# KiCad board Boston-keyboard-V08DHA.kicad_pcb (continued)
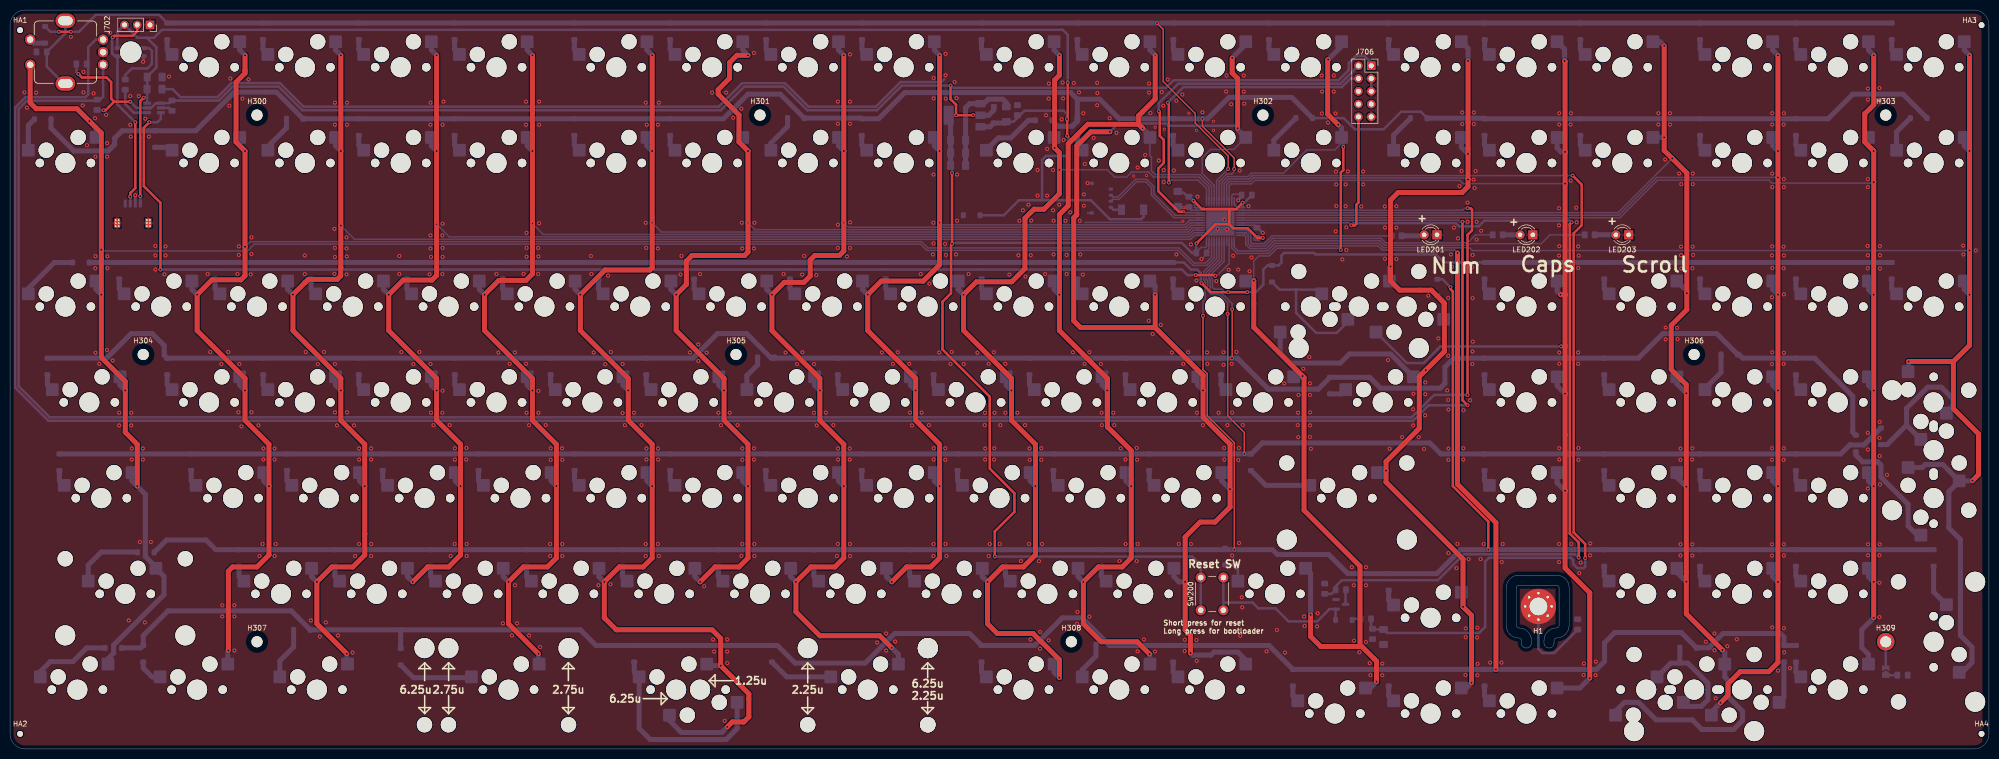
[diagram p0: board, top side]
## Routing (per net, layer and track width the routed paths; a pad name or vN(x,y) marks a point on that pad's centre or on a via; arc(x,y) is an arc through that point) (continued)
CAP_INDICATOR: length 3.4
  Bottom w1: LED202.2 300.23,102.28 R201.1
Col1: length 380.2
  Top w1: v1(25.29,52.28) 25.29,60.62 22.91,63 v1(22.91,71.33) 22.91,73.12 18.14,77.88 v1(18.14,90.38) v1(18.14,99.33) 18.14,122.53 v1(15.76,124.91) 13.3,127.37 5.2,127.37 4,128.57 SW126.S2
  Bottom w0.3: U701.21 239.4,97.7 237.91,96.2 235.21,96.2 232.22,99.19 182.28,99.19 181.04,100.44 48.56,100.44 47.2,99.08 18.4,99.08 v1(18.14,99.33)
  Bottom w1: SW3.1 21.86,72.38 v1(22.91,71.33) ; SW1.1 17.1,123.58 v1(15.76,124.91) ; v1(18.14,90.38) 17.1,91.43 SW2.1 ; SW4.1 24.24,53.33 v1(25.29,52.28) 26.9,50.67 26.9,38.28 29,36.17 SW5.1 30.6,34.33 30.6,30.68 20.6,20.68 20.6,19.07 19.48,17.95 SW6.1
Col2: length 355.5
  Top w1: v1(46.72,138.01) 46.72,134.96 46.72,134.43 44.93,132.65 44.93,120.74 v1(46.72,118.96) v1(46.72,99.91) 46.72,94.14 45.91,93.33 40.14,93.33 v1(37.19,90.38) 37.19,83.24 46.72,73.71 v1(46.72,71.33) 46.72,65.38 51.48,60.62 v1(51.48,52.28) 51.48,38.59 49.1,36.21 44.25,36.21 43.4,35.36 v1(43.4,19.57)
  Bottom w0.3: v1(46.72,99.91) 47.73,100.92 181.24,100.92 182.48,99.67 232.42,99.67 235.41,96.68 237.71,96.68 238.9,97.88 U701.22
  Bottom w1: v1(46.72,118.96) 45.67,120 SW8.1 ; v1(46.72,138.01) 45.67,139.05 SW7.1 ; SW13.1 43.29,19.46 v1(43.4,19.57) ; v1(37.19,90.38) 36.15,91.43 SW9.1 ; v1(51.48,52.28) 50.43,53.33 SW11.1 ; SW10.1 45.67,72.38 v1(46.72,71.33)
Col3: length 335
  Top w1: v1(65.77,138.01) v1(65.77,118.96) v1(65.77,104.11) 65.77,95.74 65.75,95.72 65.75,94.12 65.05,93.42 59.3,93.42 58.68,92.81 58.67,92.81 v1(56.24,90.38) 56.24,83.24 65.77,73.71 v1(65.77,71.33) 65.77,65.38 70.53,60.62 v1(70.53,52.28) 70.53,42.76 70.53,38.59 68.15,36.21 63.98,36.21 v1(61.01,33.23) 61.01,24.9 v1(66.96,18.94)
  Bottom w0.3: UA701.25 235.61,102.18 235.4,101.97 235.37,101.97 234.79,101.39 68.48,101.39 v1(65.77,104.11)
  Bottom w1: SW19.1 59.96,34.28 v1(61.01,33.23) ; v1(70.53,52.28) 69.48,53.33 SW18.1 ; SW17.1 64.72,72.38 v1(65.77,71.33) ; SW15.1 64.72,120 v1(65.77,118.96) ; SW20.1 66.96,17.02 v1(66.96,18.94) ; v1(65.77,138.01) 64.72,139.05 SW14.1 ; v1(56.24,90.38) 55.2,91.43 SW16.1
Col4: length 296.2
  Top w1: v1(84.82,138.01) v1(84.82,118.96) v2(84.82,104.39) 84.82,94.19 83.91,93.28 78.19,93.28 v1(75.29,90.38) 75.29,83.24 84.82,73.71 v1(84.82,71.33) 84.82,65.38 89.58,60.62 v1(89.58,52.28) 89.58,38.59 87.2,36.21 83.03,36.21 v1(80.06,33.23)
  Bottom w0.3: U701.26 235.4,102.68 234.59,101.88 87.34,101.88 v2(84.82,104.39)
  Bottom w1: SW24.1 83.77,72.38 v1(84.82,71.33) ; v1(80.06,33.23) 79.01,34.28 SW26.1 ; SW25.1 88.53,53.33 v1(89.58,52.28) ; v1(84.82,138.01) 83.77,139.05 SW21.1 ; SW22.1 83.77,120 v1(84.82,118.96) ; SW23.1 74.25,91.43 v1(75.29,90.38)
Col5: length 296.1
  Top w1: v1(105.06,18.94) 99.11,24.9 v1(99.11,33.23) 102.08,36.21 106.85,36.21 108.63,37.99 v1(108.63,52.28) 108.63,60.62 103.87,65.38 v1(103.87,71.33) 103.87,73.71 94.34,83.24 v1(94.34,90.38) 97.17,93.21 102.58,93.21 103.87,94.49 v2(103.87,104.51) v1(103.87,118.96) v1(103.87,138.01)
  Bottom w0.3: U701.27 235.22,103.18 234.4,102.36 106.02,102.36 v2(103.87,104.51)
  Bottom w1: SW31.1 107.58,53.33 v1(108.63,52.28) ; SW27.1 102.82,139.05 v1(103.87,138.01) ; v1(105.06,18.94) 105.06,17.02 SW128.1 ; v1(94.34,90.38) 93.3,91.43 SW29.1 ; v1(103.87,118.96) 102.82,120 SW28.1 ; v1(99.11,33.23) 98.06,34.28 SW32.1 ; SW30.1 102.82,72.38 v1(103.87,71.33)
Col6: length 329.2
  Top w1: v1(127.68,138.01) v1(127.68,118.96) v2(127.68,104.67) 127.68,95.74 127.23,95.28 118.3,95.28 v1(113.39,90.38) 113.39,83.24 122.92,73.71 v1(122.92,71.33) 122.92,65.38 127.68,60.62 v1(127.68,52.28) 127.68,37.99 125.9,36.21 121.13,36.21 v1(118.16,33.23) 118.16,26.09 120.54,23.71 139.59,23.71 141.3,21.99 v1(141.3,16.57) 146.9,10.97 146.9,6.38 145.9,5.38 143.6,5.38 v1(142.6,4.38)
  Bottom w0.3: U701.28 235.04,103.68 234.2,102.83 129.51,102.83 v2(127.68,104.67)
  Bottom w1: v1(127.68,138.01) 126.63,139.05 SW33.1 ; SW39-1.1 138.84,16.57 v1(141.3,16.57) ; v1(142.6,4.38) 141.5,3.28 133.5,3.28 131.11,5.66 SW39-2.1 ; v1(113.39,90.38) 112.35,91.43 SW35.1 ; v1(127.68,52.28) 126.63,53.33 SW37.1 ; SW38.1 117.11,34.28 v1(118.16,33.23) ; SW36.1 121.87,72.38 v1(122.92,71.33) ; v1(127.68,118.96) 126.63,120 SW34.1
Col7: length 245.2
  Top w1: v1(146.73,138.01) 144.53,138.01 143.06,136.54 143.06,133.44 140.8,131.18 140.8,130.28 144.95,126.13 144.95,120.74 v1(146.73,118.96) v2(146.73,104.67) 146.73,98.84 146.06,98.17 135.6,98.17 134.47,97.04 134.47,92.41 v1(132.44,90.38) 132.44,83.24 141.97,73.71 v1(141.97,71.33) 141.97,65.38 146.73,60.62 v1(146.73,52.28) 146.73,37.99 144.95,36.21 140.18,36.21 v1(137.21,33.23)
  Bottom w0.3: v2(146.73,104.67) 148.09,103.31 234,103.31 234.87,104.18 U701.29
  Bottom w1: v1(146.73,138.01) 145.68,139.05 SW40.1 ; SW45.1 136.16,34.28 v1(137.21,33.23) ; v1(141.97,71.33) 140.92,72.38 SW43.1 ; v1(132.44,90.38) 131.4,91.43 SW42.1 ; SW44.1 145.68,53.33 v1(146.73,52.28) ; v1(146.73,118.96) 145.68,120 SW41.1
Col8: length 250.5
  Top w1: v1(165.78,138.01) v1(165.78,118.96) v2(165.78,104.67) 165.78,99.06 164.9,98.17 160,98.17 159.1,97.28 159.1,94.08 157.86,92.83 153.94,92.83 v1(151.49,90.38) 151.49,83.24 161.02,73.71 v1(161.02,71.33) 161.02,65.38 165.78,60.62 v1(165.78,52.28) 165.78,37.99 164,36.21 159.23,36.21 v1(156.26,33.23) 156.26,27.28 161.02,22.52 172.93,22.52 v1(175.31,20.13)
  Bottom w0.3: v2(165.78,104.67) 165.78,104.63 166.62,103.8 233.8,103.8 234.69,104.68 U701.30
  Bottom w1: v1(156.26,33.23) 155.21,34.28 SW51.1 ; SW49.1 159.97,72.38 v1(161.02,71.33) ; SW129.1 176.64,18.8 v1(175.31,20.13) ; v1(165.78,52.28) 164.73,53.33 SW50.1 ; v1(165.78,138.01) 164.73,139.05 SW46.1 ; SW47.1 164.73,120 v1(165.78,118.96) ; SW48.1 150.45,91.43 v1(151.49,90.38)
Col9: length 199.2
  Top w1: v1(175.31,33.23) 178.28,36.21 183.05,36.21 184.83,37.99 v1(184.83,52.28) 184.83,60.62 180.07,65.38 v1(180.07,71.33) 180.07,73.71 170.54,83.24 v1(170.54,90.38) 173.24,93.08 181.57,93.08 184.82,96.32 184.82,104.66 v2(184.83,104.67) v1(184.83,118.96) v1(184.83,138.01)
  Bottom w0.3: v2(184.83,104.67) 185.23,104.28 233.6,104.28 234.51,105.18 U701.31
  Bottom w1: SW57.1 174.26,34.28 v1(175.31,33.23) ; v1(184.83,138.01) 183.78,139.05 SW52.1 ; v1(170.54,90.38) 169.5,91.43 SW54.1 ; v1(184.83,118.96) 183.78,120 SW53.1 ; v1(184.83,52.28) 183.78,53.33 SW56.1 ; v1(180.07,71.33) 179.02,72.38 179.02,74.03
Col10: length 215.8
  Top w1: v1(208.64,138.01) 208.64,134.02 207.7,133.07 v1(207.7,119.58) 208.64,118.63 v1(208.64,115.23) 208.64,110.43 205.59,107.38 203.61,107.38 201.8,105.58 201.8,95.58 199.16,92.93 192.14,92.93 v1(189.59,90.38) 189.59,83.24 199.12,73.71 v1(199.12,71.33) 199.12,65.38 203.88,60.62 v1(203.88,52.28) 203.88,38.59 201.5,36.21 197.33,36.21 197.04,35.91 v1(194.36,33.23) 194.36,24.9 196.29,22.96 203.41,22.96 205.05,21.32 205.07,21.32 208.64,17.75 v1(208.64,14.18)
  Bottom w0.3: U701.38 238.4,111.77 236.4,113.78 227.4,113.78 226.4,114.78 223,114.78 222,113.78 219.6,113.78 218.14,115.23 v1(208.64,115.23)
  Bottom w1: SW62.1 202.83,53.33 v1(203.88,52.28) ; SW63.1 193.31,34.28 v1(194.36,33.23) ; v1(208.64,138.01) 207.6,139.05 SW58.1 ; v1(199.12,71.33) 198.07,72.38 SW61.1 ; v1(207.7,119.58) 207.6,119.68 SW59.1 ; SW64.1 207.6,15.23 v1(208.64,14.18) ; SW60.1 188.55,91.43 v1(189.59,90.38)
Col11: length 209.4
  Top w1: 218.17,73.71 v1(218.17,71.33) 218.17,65.38 218.2,65.35 218.2,64.08 ; 218.17,73.71 208.64,83.24 v1(208.64,90.38) 208.64,106.32 210.4,108.08 210.4,120.38 214.3,124.28 224.4,124.28 ; 218.17,73.71 218.2,73.68 218.2,64.08 ; 224.9,123.78 v2(225.2,123.47) 224.4,124.28 ; v2(227.69,138.01) 227.69,129.27 224.4,125.97 224.4,124.28 ; v1(226.59,18.86) 224.12,21.32 216.98,21.32 213.41,24.9 v1(213.41,33.23) 216.38,36.21 221.15,36.21 222.93,37.99 v1(222.93,52.28) 222.93,59.34 218.2,64.08
  Bottom w0.3: U701.39 238.9,111.97 236.62,114.25 227.72,114.25 226.95,115.03 226.95,117.72 226.65,118.02 SW66.1
  Bottom w1: SW70.1 212.36,34.28 v1(213.41,33.23) ; SW65.1 226.65,139.05 v2(227.69,138.01) ; SW69.1 221.88,53.33 v1(222.93,52.28) ; SW68.1 217.12,72.38 v1(218.17,71.33) ; SW66.1 226.65,122.03 v2(225.2,123.47) ; SW71.1 226.65,18.8 v1(226.59,18.86) ; SW67.1 207.6,91.43 v1(208.64,90.38)
Col12: length 237.9
  Top w1: v1(244.1,123.47) 244.1,133.38 243,134.47 v1(243,137.47) ; 227.69,83.83 v1(227.69,90.38) ; 227.69,83.83 212.84,83.83 211.5,85.17 211.5,105.67 212.1,106.28 212.1,119.97 214.9,122.78 v1(218.7,122.78) ; 227.69,83.83 237.22,74.31 v1(237.22,71.33) 237.22,65.97 242.58,60.62 v1(242.58,51.69) 242.58,48.11 239.6,45.14 236.62,45.14 233.65,42.16 v1(233.65,33.23) 233.65,23.71 234.7,22.65 v1(234.7,19.07)
  Bottom w0.3: SW73.1 243.32,119.28 238.7,119.28 237.04,117.61 237.04,114.51 239.4,112.15 U701.40
  Bottom w0.5: v1(244.1,123.47) 243.6,123.97 230.3,123.97 229.84,124.44 220.36,124.44 v1(218.7,122.78)
  Bottom w1: v1(242.58,51.69) 240.93,53.33 SW76.1 ; v1(244.1,123.47) 244.1,123.25 SW73.1 ; SW75.1 236.17,72.38 v1(237.22,71.33) ; SW77.1 231.41,34.28 232.46,33.23 v1(233.65,33.23) ; v1(234.7,19.07) 235.1,18.68 238.8,18.68 239.4,19.28 244.1,19.28 245.7,17.68 SW78.1 ; v1(243,137.47) 245.7,140.17 SW72.1 ; v1(227.69,90.38) 227.69,92.03 SW74.1
Col13: length 219.2
  Top w0.5: v1(264.6,99.28) 264.6,114.67 265.1,115.17 v1(265.1,119.78)
  Top w1: 268.42,20.38 260.6,20.38 258.6,22.38 v1(258.6,26.68) ; 268.42,20.38 268.42,36.36 257.3,47.47 257.3,73.88 v1(257,74.17) 247.3,83.88 v1(247.3,93.17) ; 268.42,20.38 268.8,20.38 271.7,17.47 v1(271.7,13.38) ; v1(264.1,124.17) 262,126.28 262,137.07 v1(262.1,137.18)
  Bottom w0.3: v1(264.6,99.28) 264.26,99.61 251.92,99.61 250.38,98.08 248.3,98.08 247.3,97.08 v1(247.3,93.17) ; U701.43 240.9,112.68 242.1,113.88 246.14,113.88 246.82,114.56 253.22,114.56 257.84,119.17 263.4,119.17 264.75,120.52 SW80.1
  Bottom w0.5: SW80.1 265.1,121.3 v1(265.1,119.78)
  Bottom w1: v1(264.1,124.17) 264.75,123.53 SW80.1 ; SW82.1 256.86,74.03 v1(257,74.17) ; SW85.1 270.44,12.12 v1(271.7,13.38) ; v1(247.3,93.17) 247.2,93.08 SW81.1 ; v1(262.1,137.18) 264.75,139.82 SW79.1 ; v1(258.6,26.68) 258.6,34.93 SW84.1
Col14: length 265.1
  Top w1: v1(289.9,136.88) v1(289.9,118.38) v1(289.9,113.28) 289.9,111.88 288.72,110.69 275.98,110.69 274.5,109.21 v1(274.5,95.97) 274.5,93.08 276.3,91.28 282.6,91.28 285.2,88.67 285.2,79.08 v1(281.5,75.38) 280.2,74.08 280.2,63.78 273.6,57.17 v1(273.6,55.38) 273.6,53.08 288.9,37.78 v1(288.9,28.28) 290.6,26.57 v1(290.6,13.18)
  Bottom w0.3: U701.45 241.9,112.3 242.49,112.89 246.51,112.89 247.22,113.59 289.58,113.59 v1(289.9,113.28)
  Bottom w1: SW88-1.1 274.27,95.75 v1(274.5,95.97) ; v1(290.6,13.18) 289.54,12.12 SW92.1 ; v1(289.9,136.88) 289.9,139.36 SW86.1 ; SW90.1 273.2,54.98 v1(273.6,55.38) ; SW91.1 288.9,30.83 v1(288.9,28.28) ; SW87.1 288.56,119.72 v1(289.9,118.38) ; v1(281.5,75.38) 280.15,74.03 SW89.1 274.49,78.58 266.3,78.58 264.5,76.78 254.6,76.78 252.55,78.82 SW88-2.1
Col15: length 264.8
  Top w0.5: 309.2,80.17 309.1,80.08 v1(308.4,80.08)
  Top w1: 309.2,90.38 v1(309.2,70.67) v1(309.2,51.38) 309.2,35.97 314.1,31.07 v1(314.1,14.07) ; 309.2,90.38 v1(309.2,112.47) v1(309.2,118.78) 309.2,136.78 v1(309.1,136.88) ; 309.2,90.38 v1(308.3,90.38)
  Bottom w0.3: v1(309.2,112.47) 288.9,112.47 288.26,113.12 247.5,113.12 246.79,112.41 242.73,112.41 242.4,112.08 U701.46
  Bottom w0.5: SW127.1 277.75,76.78 281.1,76.78 284.4,80.08 v1(308.4,80.08)
  Bottom w1: SW96.1 307.61,72.27 v1(309.2,70.67) ; SW95.1 307.61,91.07 v1(308.3,90.38) ; v1(309.2,118.78) 308.4,118.78 307.61,119.57 SW94.1 ; SW98.1 312.14,12.12 v1(314.1,14.07) ; SW97.1 307.61,52.97 v1(309.2,51.38) ; SW93.1 309.1,139.21 v1(309.1,136.88)
Col16: length 282.3
  Top w1: v1(328.9,139.88) v1(328.9,121.67) 328.9,119.08 v1(330.5,117.47) 333.4,114.58 v1(333.4,90.67) 333.4,87.38 330.3,84.28 330.3,75.47 333.3,72.47 v1(333.3,70.78) v1(333.3,52.17) v1(333.3,33.28) 333.3,26.88 v1(340.5,19.68)
  Bottom w0.3: U701.3 319.71,106.68 v1(330.5,117.47)
  Bottom w1: SW104.1 331.42,35.15 v1(333.3,33.28) ; v1(340.5,19.68) 340.95,19.23 SW105-1.1 340.95,14.33 341.6,13.68 341.6,10.38 344.5,7.47 344.5,5.68 342.7,3.88 336.4,3.88 334.5,5.78 327.3,5.78 323.8,9.28 321,9.28 319.23,7.5 SW105-2.1 ; SW102.1 331.42,72.65 v1(333.3,70.78) ; SW101.1 333.4,91.1 v1(333.4,90.67) ; SW99.1 328.07,140.7 v1(328.9,139.88) ; v1(333.3,52.17) 331.42,54.05 SW103.1 ; SW100.1 328.88,121.66 v1(328.9,121.67)
Col17: length 268.7
  Top w1: v1(351.52,138.01) v1(351.52,113.69) v1(351.52,33.23) 351.52,17.19 349.7,15.38 344,15.38 341.6,12.97 341.6,10.68 v1(340.1,9.18)
  Bottom w0.3: v1(351.52,113.69) 327.42,113.69 319.91,106.18 U701.4
  Bottom w1: SW106.1 350.47,139.05 v1(351.52,138.01) ; v1(340.1,9.18) 338.28,7.35 SW112.1 ; v1(351.52,52.28) 350.47,53.33 SW110.1 ; SW109.1 350.47,72.38 v1(351.52,71.33) ; v1(351.52,33.23) 350.47,34.28 SW111.1 ; SW108.1 350.47,91.43 v1(351.52,90.38) ; v1(351.52,118.96) 350.47,120 SW107.1
Col18: length 272.1
  Top w1: v1(370.57,26.09) v1(370.57,33.23) v1(370.57,112.74) v1(370.57,118.96) 368.78,120.74 368.78,126.36 370.57,128.14 v1(370.57,138.01)
  Bottom w0.3: U701.5 320.11,105.68 327.6,113.17 349.7,113.17 350.3,112.58 370.4,112.58 v1(370.57,112.74)
  Bottom w1: v1(370.57,118.96) 369.52,120 SW114.1 ; SW116.1 369.52,72.38 v1(370.57,71.33) ; SW119.1 369.52,18.8 368.19,20.13 368.19,23.71 v1(370.57,26.09) ; v1(370.57,33.23) 369.52,34.28 SW118.1 ; v1(370.57,90.38) 369.52,91.43 SW115.1 ; v1(370.57,52.28) 369.52,53.33 SW117.1 ; SW113.1 369.52,139.05 v1(370.57,138.01)
Col19: length 314.2
  Top w1: v1(389.62,138.01) v1(389.62,99.16) v1(389.62,90.38) 389.62,80.29 386.4,77.08 ; 386.4,77.08 386.4,67.67 391.4,62.67 391.4,54.58 v1(390.2,53.38) ; 386.4,77.08 v1(377.5,77.08)
  Bottom w0.3: U701.13 243.4,99.85 244.18,99.08 250,99.08 251.5,100.58 272.2,100.58 273.06,99.72 290.22,99.72 290.78,99.16 v1(389.62,99.16)
  Bottom w1: SW124-1.1 387.56,53.23 385.5,51.17 385.5,43.97 387.8,41.68 387.8,22.57 390.1,20.28 390.1,17.18 388.15,15.23 SW125.1 ; SW124-1.1 384.31,56.58 380.8,56.58 380.22,56 SW123.1 ; SW124-1.1 390.15,53.33 v1(390.2,53.38) ; SW122.1 388.57,91.43 v1(389.62,90.38) ; v1(377.5,77.08) 377.5,75.15 SW124-2.1 ; v1(389.62,138.01) 388.57,139.05 SW120.1 ; v1(389.62,118.96) 388.57,120 SW121.1
D+: length 23.1
  Bottom w0.3: U701.33 236.48,106.17 231.64,106.17 227.44,110.37 227.44,111.87 226,113.31 223.8,113.31 220.3,109.82 219.23,109.82 J705.3
D-: length 23.1
  Bottom w0.3: J705.2 219.23,109.33 220.5,109.33 224,112.84 225.8,112.84 226.96,111.68 226.96,110.18 231.44,105.69 236.48,105.69 U701.32
DI: length 11.5
  Bottom w0.5: R710.1 22.9,134.07 24.2,135.38 27.3,135.38 28.2,136.28 28.2,138.88 27.65,139.43 LED702.4
EncA: length 455.2
  Top w0.5: v1(289.8,70.42) 289.8,102.28 290.7,103.17 290.7,107.28 290.4,107.58 v1(289.8,107.58)
  Bottom w0.3: v1(289.8,107.58) 289.25,107.58 288.85,107.17 287.6,107.17 287.59,107.16 244.83,107.16 U701.2
  Bottom w0.5: v1(289.8,70.42) 283.15,70.42 278.7,65.97 7.9,65.97 1.7,72.17 1.7,127.31 3.36,128.97 17.1,128.97 R709.1 17.9,129.18 18.5,129.78 SW126.B
EncB: length 458.1
  Top w0.5: v1(288.8,104.88) 288.8,69.38 v1(289.8,68.38)
  Bottom w0.3: v1(288.8,104.88) 288.3,104.88 287.99,105.18 U701.6
  Bottom w0.5: v1(289.8,68.38) 282.06,68.38 278.98,65.3 7.62,65.3 1.02,71.89 1.02,127.59 3.08,129.66 14.98,129.66 15.55,130.22 15.55,139.62 17.05,141.12 SW126.A
NRST: length 211.5
  Top w0.5: v1(311.9,38.07) 311.9,41.07 310.13,42.84 310.13,104.41 v1(310.5,104.78) ; v1(266.7,104.17) 267.4,104.17 267.7,104.47 267.7,108.28 268.12,108.69 J706.10
  Bottom w0.3: v1(266.7,104.17) 266.19,104.68 U701.7
  Bottom w0.5: C702.1 262.75,30.85 R703.1 263.57,32.35 264.8,33.57 283.9,33.57 289.04,38.71 311.26,38.71 v1(311.9,38.07) ; v1(310.5,104.78) 310.17,105.1 293.13,105.1 292,103.97 288.1,103.97 287.47,104.6 267.13,104.6 v1(266.7,104.17)
NUM_INDICATOR: length 4.6
  Bottom w1: LED201.2 280.98,102.08 R202.1
RGBLED: length 253.2
  Top w0.5: v1(239.65,94.12) 239.5,94.28 v1(235.75,94.28) 235.8,94.22 ; v1(29.9,95.38) 29.9,108.67 26.6,111.97 26.6,123.58 v1(27.7,124.67)
  Bottom w0.3: v1(239.65,94.12) 239.75,94.22 240.06,94.22 242.4,96.57 U701.15
  Bottom w0.5: v1(27.7,124.67) 29.3,124.67 29.97,125.35 U705.3 ; v1(29.9,95.38) 233,95.38 234.1,94.28 v1(235.75,94.28)
Row1: length 411.8
  Top w0.3: v1(228.04,144.42) 229.3,143.16 229.3,132.78 235.65,126.42 235.65,124.53 242.2,117.97 v1(242.2,115.38)
  Top w0.5: v1(12.1,142.68) v1(9.7,142.68)
  Bottom w0.3: U701.41 239.9,113.08 v1(242.2,115.38)
  Bottom w0.5: v1(12.1,142.68) 13.7,142.68 17.08,146.05 29.61,146.05 D7.1 ; v1(9.7,142.68) 8.02,142.68 D126.1
  Bottom w1: D120.1 v1(228.04,144.42) D7.1
Row2: length 434.3
  Top w0.3: v1(243.4,115.38) 243.4,117.58 237.09,123.88 v1(237.09,125.37)
  Bottom w0.3: U701.42 240.4,112.88 241.9,114.38 242.9,114.38 243.4,114.88 v1(243.4,115.38)
  Bottom w0.5: D80.1 265.17,125.5 267.4,123.28 273.1,123.28 276.6,126.78 280.5,126.78 281.75,125.53 D87.1
  Bottom w1: 212.22,129.26 D66.1 212.22,124.89 211.2,123.88 208.35,123.88 D59.1 ; 212.22,129.26 216.67,129.26 220.56,125.37 D73.1 v1(237.09,125.37) 238.09,125.37 242.35,129.62 254.85,129.62 D80.1 ; 212.22,129.26 210.9,130.58 177.9,130.58 172.69,125.37 D53.1 169.22,125.5 D47.1 153.14,130.27 146.73,130.27 141.83,125.37 D41.1 D28.1 88.38,125.38 D15.1 52.95,130.68 44.6,130.68 36.91,122.99 D8.1 22.29,122.99 20.8,121.5 20.8,120.28 19.5,118.97 12.7,118.97 8.15,123.53 D1.1 ; D87.1 293.07,125.47 D94.1 D114.1 361.5,125.37 366.4,130.27 376.39,130.27 D121.1
Row3: length 382.2
  Top w0.5: v1(246,90.88) v1(242.2,90.88) 238.7,90.88 v1(236.9,92.67)
  Bottom w0.3: U701.17 241.4,96.98 238.82,94.4 238.82,93.84 239.08,93.58 239.08,91.79 239.4,91.47 240.9,91.47 241.5,90.88 v1(242.2,90.88)
  Bottom w0.5: v1(236.9,92.67) 236.75,92.83 236.75,94.67 236.05,95.38 234.8,95.38 233.38,96.79 D81.1 ; v1(246,90.88) 247.7,90.88 249.2,92.38 249.2,95.38 250.02,96.2 D88.1 252.22,96.2 252.8,96.78 252.8,98.17 253.3,98.67 259.3,98.67 259.6,98.38 283.5,98.38 285.08,96.79 D95.1
  Bottom w1: D81.1 D9.1 15.77,96.79 D2.1 ; D122.1 D101.1 D95.1
Row4: length 419.3
  Top w0.3: v1(242.97,77.74) 243,77.78 v1(243,87.47)
  Bottom w0.3: v1(243,87.47) 243,88.57 240.6,90.96 238.89,90.96 238.6,91.25 238.6,93.38 238.33,93.65 238.33,94.59 240.9,97.16 U701.18
  Bottom w1: 367,62.42 366.4,63.03 366.4,70.17 358.83,77.74 D116.1 344.51,77.74 343.78,78.47 D109.1 339.34,82.64 328.67,82.64 323.77,77.74 D102.1 D96.1 287.07,77.74 285.3,75.97 285.3,72.72 284.35,71.78 272.5,71.78 270.34,73.93 D89.1 260.1,71.58 250.2,71.58 244.03,77.74 v1(242.97,77.74) D82.1 151.36,77.74 146.46,82.64 140.67,82.64 135.77,77.74 D10.1 30.65,78.34 30.65,80.26 28.26,82.64 24.1,82.64 19.2,77.74 D3.1
Row5: length 413.5
  Top w0.3: v1(245.42,58.69) 245.42,62.96 242.1,66.28 v1(242.1,86.58)
  Bottom w0.3: v1(242.1,86.58) 242.1,88.79 240.41,90.47 238.7,90.47 238.12,91.05 238.12,93.18 237.84,93.46 237.84,94.78 240.4,97.34 U701.19
  Bottom w1: D4.1 D76.1 v1(245.42,58.69) 246.82,58.69 249,60.88 282.3,60.88 284.48,58.69 D97.1 D103.1 D117.1 364.02,58.69 365.85,60.53 365.9,60.47 368.6,60.47 369,60.88 369.02,60.88 D124.1
Row6: length 483.3
  Top w0.3: v1(237.2,86.17) 237.2,75.5 238.05,74.65 238.05,66.32 243.43,60.93 v1(243.43,39.64)
  Top w0.5: v1(286.4,91.88) 286.4,91.47 286.87,91 286.87,52.29 293.93,45.23 v1(293.93,39.64)
  Bottom w0.3: U701.20 239.9,97.52 237.35,94.97 237.35,93.28 237.64,92.98 237.64,89.52 237.2,89.08 v1(237.2,86.17)
  Bottom w0.5: v1(286.4,91.88) 284.82,93.45 D127.1
  Bottom w1: D125.1 D104.1 v1(293.93,39.64) 288.47,39.64 283.71,34.88 D91.1 265.99,34.88 262.2,38.68 252,38.68 251.03,39.64 v1(243.43,39.64) D77.1 D19.1 40.9,39.64 38.98,41.57 31.12,41.57 D5.1
Row7: length 498.4
  Top w1: v1(295.44,15.83) 295.44,45.03 287.8,52.67 v1(287.8,98.67)
  Bottom w0.3: U701.14 242.9,99.67 244,98.58 250.2,98.58 251.72,100.09 272,100.09 272.86,99.23 287.24,99.23 v1(287.8,98.67)
  Bottom w1: 77.64,23.71 113.39,23.71 116.51,20.59 D39.1 D129.1 152.58,20.59 156.1,17.07 170,17.07 175.9,22.97 190.78,22.97 D64.1 203.75,20.59 209.24,26.09 213.13,26.09 218.63,20.59 D78.1 250.32,20.59 D85.1 D98.1 v1(295.44,15.83) 315.46,15.83 317.05,17.43 317.05,21.12 319.1,23.18 332.27,23.18 D105.1 337.84,20.13 337.84,20.22 340.6,22.97 352,22.97 352.71,22.27 D112.1 D119.1 ; 77.64,23.71 59.82,23.71 D20.1 55.91,27.47 31.4,27.47 26.48,22.55 D13.1 25.98,20.1 D6.1 ; 77.64,23.71 77.68,23.67 D128.1
SCRL_INDICATOR: length 4.3
  Bottom w1: 315,102.3 319.28,102.3 LED203.2
SWCLK: length 66.7
  Top w0.5: v1(230.2,128.57) 230.4,128.38 v1(230.4,112.67)
  Bottom w0.3: U701.37 237.9,111.47 236.2,113.17 230.9,113.17 v1(230.4,112.67)
  Bottom w0.5: J706.4 266.5,133.37 264.81,131.68 233.3,131.68 v1(230.2,128.57)
SWDIO: length 71.1
  Top w0.5: v1(228.4,126.88) 228.6,126.67 228.6,121.97 229.4,121.17 229.4,116.58 228.3,115.47 228.3,110.97 232.39,106.89 v2(233.39,106.89)
  Bottom w0.3: v2(233.39,106.89) 233.59,106.68 U701.34
  Bottom w0.5: v1(228.4,126.88) 228.4,128.47 232.28,132.35 264.52,132.35 268.08,135.91 J706.2
Net-(D1-Pad2): length 6.7
  Bottom w1: SW1.2 3.63,124.06 D1.2
Net-(D2-Pad2): length 12
  Bottom w1: D2.2 8.8,96.78 3.63,91.61 SW2.2
Net-(D3-Pad2): length 3.4
  Bottom w1: SW3.2 7.43,72.46 D3.2
Net-(D4-Pad2): length 3.4
  Bottom w1: D4.2 9.81,53.41 SW4.2
Net-(D5-Pad2): length 14.1
  Bottom w1: D5.2 25.27,39.18 18.14,39.18 15.54,36.58 SW5.2
Net-(D6-Pad2): length 15.9
  Bottom w1: D6.2 15.22,20.1 12.5,17.38 8,17.38 6.02,15.39 SW6.2
Net-(D7-Pad2): length 3.4
  Bottom w1: D7.2 31.24,139.13 SW7.2
Net-(D8-Pad2): length 3.6
  Bottom w1: D8.2 31.64,119.69 SW8.2
Net-(D9-Pad2): length 3.4
  Bottom w1: SW9.2 21.72,91.51 D9.2
Net-(D10-Pad2): length 3.4
  Bottom w1: D10.2 31.24,72.46 SW10.2
Net-(D11-Pad2): length 3.4
  Bottom w1: D11.2 36,53.41 SW11.2
Net-(D13-Pad2): length 5.3
  Bottom w1: SW13.2 28.23,14.34 26.48,16.1 D13.2
Net-(D14-Pad2): length 3.4
  Bottom w1: SW14.2 50.29,139.13 D14.2
Net-(D15-Pad2): length 7.8
  Bottom w1: SW15.2 51.26,119.83 54.95,123.53 D15.2
Net-(D16-Pad2): length 3.4
  Bottom w1: D16.2 40.77,91.51 SW16.2
Net-(D17-Pad2): length 3.3
  Bottom w1: D17.2 50.33,72.42 SW17.2
Net-(D18-Pad2): length 3.4
  Bottom w1: D18.2 55.05,53.41 SW18.2
Net-(D19-Pad2): length 3.4
  Bottom w1: SW19.2 45.53,34.36 D19.2
Net-(D20-Pad2): length 10.5
  Bottom w1: D20.2 56.38,20.27 53.64,17.53 SW20.2
Net-(D21-Pad2): length 3.4
  Bottom w1: D21.2 69.34,139.13 70.31,138.16
Net-(D22-Pad2): length 3.4
  Bottom w1: D22.2 69.34,120.08 70.31,119.12
Net-(D23-Pad2): length 3.3
  Bottom w1: SW23.2 59.85,91.47 D23.2
Net-(D24-Pad2): length 3.4
  Bottom w1: 70.31,71.49 69.34,72.46 D24.2
Net-(D25-Pad2): length 3.4
  Bottom w1: D25.2 74.1,53.41 SW25.2
Net-(D26-Pad2): length 3.4
  Bottom w1: SW26.2 64.58,34.36 D26.2
Net-(D27-Pad2): length 3.4
  Bottom w1: 89.36,138.16 88.39,139.13 D27.2
Net-(D28-Pad2): length 3.4
  Bottom w1: D28.2 88.39,120.08 89.36,119.12
Net-(D29-Pad2): length 3.3
  Bottom w1: D29.2 78.9,91.47 SW29.2
Net-(D30-Pad2): length 3.3
  Bottom w1: D30.2 88.43,72.42 89.36,71.49
Net-(D31-Pad2): length 3.4
  Bottom w1: D31.2 93.15,53.41 SW31.2
Net-(D32-Pad2): length 3.4
  Bottom w1: D32.2 83.63,34.36 SW32.2
Net-(D33-Pad2): length 3.4
  Bottom w1: SW33.2 112.2,139.13 D33.2
Net-(D34-Pad2): length 3.4
  Bottom w1: D34.2 112.2,120.08 SW34.2
Net-(D35-Pad2): length 3.3
  Bottom w1: SW35.2 97.95,91.47 D35.2
Net-(D36-Pad2): length 3.3
  Bottom w1: SW36.2 107.48,72.42 D36.2
Net-(D37-Pad2): length 3.3
  Bottom w1: D37.2 112.24,53.37 SW37.2
Net-(D38-Pad2): length 3.3
  Bottom w1: SW38.2 102.72,34.32 D38.2
Net-(D39-Pad2): length 40.1
  Bottom w1: D39.2 124.11,15.31 SW39-1.2 125.08,4.1 127.3,1.88 142.4,1.88 144.57,4.05 SW39-2.2
Net-(D40-Pad2): length 3.4
  Bottom w1: D40.2 131.25,139.13 SW40.2
Net-(D41-Pad2): length 3.4
  Bottom w1: D41.2 131.25,120.08 SW41.2
Net-(D42-Pad2): length 3.3
  Bottom w1: D42.2 117,91.47 SW42.2
Net-(D43-Pad2): length 3.4
  Bottom w1: D43.2 126.49,72.46 SW43.2
Net-(D44-Pad2): length 3.4
  Bottom w1: D44.2 131.25,53.41 SW44.2
Net-(D45-Pad2): length 3.3
  Bottom w1: SW45.2 121.77,34.32 D45.2
Net-(D46-Pad2): length 3.3
  Bottom w1: D46.2 150.34,139.1 SW46.2
Net-(D47-Pad2): length 7.8
  Bottom w1: SW47.2 151.27,120.52 154.61,123.85 D47.2
Net-(D48-Pad2): length 3.4
  Bottom w1: SW48.2 136.02,91.51 D48.2
Net-(D49-Pad2): length 7.3
  Bottom w1: D49.2 148.65,76.43 146.51,74.28 SW49.2
Net-(D50-Pad2): length 3.4
  Bottom w1: D50.2 150.27,53.45 SW50.2
Net-(D51-Pad2): length 3.3
  Bottom w1: D51.2 140.82,34.32 SW51.2
Net-(D52-Pad2): length 3.3
  Bottom w1: SW52.2 169.39,139.1 D52.2
Net-(D53-Pad2): length 3.4
  Bottom w1: SW53.2 169.35,120.08 D53.2
Net-(D54-Pad2): length 3.4
  Bottom w1: SW54.2 155.07,91.51 D54.2
Net-(D55-Pad2): length 3.4
  Bottom w1: D55.2 164.59,72.46 SW55.2
Net-(D56-Pad2): length 3.4
  Bottom w1: D56.2 169.35,53.41 SW56.2
Net-(D57-Pad2): length 3.3
  Bottom w1: D57.2 159.83,34.36 SW57.2
Net-(D58-Pad2): length 3.4
  Bottom w1: SW58.2 193.17,139.13 D58.2
Net-(D59-Pad2): length 12.2
  Bottom w1: SW59.2 194.13,119.21 196.5,121.58 199,121.58 202.5,125.08 D59.2
Net-(D60-Pad2): length 3.4
  Bottom w1: SW60.2 174.12,91.51 D60.2
Net-(D61-Pad2): length 3.4
  Bottom w1: D61.2 183.64,72.46 SW61.2
Net-(D62-Pad2): length 3.4
  Bottom w1: D62.2 188.4,53.41 SW62.2
Net-(D63-Pad2): length 3.4
  Bottom w1: D63.2 178.88,34.36 SW63.2
Net-(D64-Pad2): length 3.4
  Bottom w1: D64.2 193.17,15.31 SW64.2
Net-(D65-Pad2): length 3.4
  Bottom w1: D65.2 212.22,139.13 SW65.2
Net-(D66-Pad2): length 3.4
  Bottom w1: SW66.2 212.22,120.08 D66.2
Net-(D67-Pad2): length 3.4
  Bottom w1: SW67.2 193.17,91.51 D67.2
Net-(D68-Pad2): length 3.4
  Bottom w1: D68.2 202.69,72.46 SW68.2
Net-(D69-Pad2): length 3.4
  Bottom w1: SW69.2 207.45,53.41 D69.2
Net-(D70-Pad2): length 3.4
  Bottom w1: D70.2 197.93,34.36 SW70.2
Net-(D71-Pad2): length 7.5
  Bottom w1: D71.2 215.92,18.48 213.18,15.74 SW71.2
Net-(D72-Pad2): length 3.3
  Bottom w1: D72.2 231.3,139.1 SW72.2
Net-(D73-Pad2): length 3.4
  Bottom w1: SW73.2 231.27,120.08 D73.2
Net-(D74-Pad2): length 3.4
  Bottom w1: SW74.2 212.22,91.51 D74.2
Net-(D75-Pad2): length 3.3
  Bottom w1: D75.2 221.78,72.42 SW75.2
Net-(D76-Pad2): length 3.4
  Bottom w1: SW76.2 226.5,53.41 D76.2
Net-(D77-Pad2): length 3.4
  Bottom w1: D77.2 216.98,34.36 SW77.2
Net-(D78-Pad2): length 3.4
  Bottom w1: SW78.2 231.27,15.31 D78.2
Net-(D79-Pad2): length 3.4
  Bottom w1: D79.2 250.32,139.13 SW79.2
Net-(D80-Pad2): length 8.2
  Bottom w1: D80.2 251.28,121.12 SW80.2
Net-(D81-Pad2): length 3.4
  Bottom w1: SW81.2 231.27,91.51 D81.2
Net-(D82-Pad2): length 3.4
  Bottom w1: D82.2 240.79,72.46 SW82.2
Net-(D84-Pad2): length 5.2
  Bottom w0.5: SW84.2 244.14,35.53 243,36.68 241.65,36.68 D84.2
Net-(D85-Pad2): length 3.4
  Bottom w1: D85.2 255.08,10.55 SW85.2
Net-(D86-Pad2): length 3.4
  Bottom w1: SW86.2 274.13,139.13 D86.2
Net-(D87-Pad2): length 7.7
  Bottom w1: SW87.2 275.1,122.12 D87.2
Net-(D88-Pad2): length 28.8
  Bottom w0.5: SW88-1.2 260.33,90.54 259.5,91.38 255.7,91.38 ; 255.7,91.38 255.7,86.77 259.7,82.78 263.8,82.78 266.02,84.99 SW88-2.2 ; 255.7,91.38 252.43,91.38 D88.2
Net-(D89-Pad2): length 3.5
  Bottom w1: D89.2 264.72,70.63 SW89.2
Net-(D90-Pad2): length 12.9
  Bottom w1: SW90.2 249.7,52.44 D90.2
Net-(D91-Pad2): length 3.4
  Bottom w1: SW91.2 274.13,29.6 D91.2
Net-(D92-Pad2): length 3.4
  Bottom w1: SW92.2 274.13,10.55 D92.2
Net-(D93-Pad2): length 3.3
  Bottom w1: SW93.2 293.22,139.1 D93.2
Net-(D94-Pad2): length 3.4
  Bottom w1: D94.2 293.18,120.08 SW94.2
Net-(D95-Pad2): length 3.4
  Bottom w1: D95.2 293.18,91.51 SW95.2
Net-(D96-Pad2): length 3.4
  Bottom w1: D96.2 293.18,72.46 SW96.2
Net-(D97-Pad2): length 3.4
  Bottom w1: SW97.2 293.18,53.41 D97.2
Net-(D98-Pad2): length 3.4
  Bottom w1: D98.2 293.18,10.55 SW98.2
Net-(D99-Pad2): length 3.4
  Bottom w1: D99.2 312.23,139.13 SW99.2
Net-(D100-Pad2): length 3.4
  Bottom w1: D100.2 312.23,120.08 SW100.2
Net-(D101-Pad2): length 3.4
  Bottom w1: SW101.2 316.99,91.51 D101.2
Net-(D102-Pad2): length 3.4
  Bottom w1: D102.2 316.99,72.46 SW102.2
Net-(D103-Pad2): length 3.4
  Bottom w1: D103.2 316.99,53.41 SW103.2
Net-(D104-Pad2): length 3.4
  Bottom w1: SW104.2 316.99,34.36 D104.2
Net-(D105-Pad2): length 25.2
  Bottom w1: D105.2 332.01,17.28 331.8,17.07 ; 331.8,17.07 330.22,17.07 SW105-1.2 ; 331.8,17.07 333.6,17.07 337.6,13.07 337.6,9.78 336.3,8.47 333.4,8.47 332.69,9.18 SW105-2.2
Net-(D106-Pad2): length 3.4
  Bottom w1: D106.2 336.04,139.13 SW106.2
Net-(D107-Pad2): length 3.4
  Bottom w1: D107.2 336.04,120.08 SW107.2
Net-(D108-Pad2): length 3.4
  Bottom w1: SW108.2 336.04,91.51 D108.2
Net-(D109-Pad2): length 8.3
  Bottom w1: D109.2 340.21,74.9 337.01,71.7 SW109.2
Net-(D110-Pad2): length 3.4
  Bottom w1: D110.2 336.04,53.41 SW110.2
Net-(D111-Pad2): length 3.4
  Bottom w1: D111.2 336.04,34.36 SW111.2
Net-(D112-Pad2): length 8.4
  Bottom w1: SW112.2 352.71,10.23 D112.2
Net-(D113-Pad2): length 3.4
  Bottom w1: SW113.2 355.09,139.13 D113.2
Net-(D114-Pad2): length 3.4
  Bottom w1: SW114.2 355.09,120.08 D114.2
Net-(D115-Pad2): length 3.4
  Bottom w1: D115.2 355.09,91.51 SW115.2
Net-(D116-Pad2): length 3.4
  Bottom w1: D116.2 355.09,72.46 SW116.2
Net-(D117-Pad2): length 3.4
  Bottom w1: SW117.2 355.09,53.41 D117.2
Net-(D118-Pad2): length 3.4
  Bottom w1: D118.2 355.09,34.36 SW118.2
Net-(D119-Pad2): length 3.4
  Bottom w1: SW119.2 355.09,15.31 D119.2
Net-(D120-Pad2): length 3.4
  Bottom w1: 375.11,138.16 374.14,139.13 D120.2
Net-(D121-Pad2): length 7.5
  Bottom w1: 375.11,119.12 375.11,122.76 D121.2
Net-(D122-Pad2): length 3.4
  Bottom w1: D122.2 374.14,91.51 375.11,90.54
Net-(D123-Pad2): length 24.1
  Bottom w1: SW123.2 379.24,42.53 377.4,44.38 377.4,48.67 372,54.08 372,56.47 371.35,57.12 368.35,57.12 367,58.47 D123.2
Net-(D124-Pad2): length 29.4
  Bottom w1: 377.1,64.42 373.23,60.55 D124.2 ; 377.1,64.42 377.1,67.78 381.3,71.97 384,71.97 386.3,69.67 386.3,68.28 385.01,66.99 SW124-1.2 ; 377.1,64.42 SW124-2.2
Net-(D125-Pad2): length 8.7
  Bottom w1: 385.01,28.69 382.48,31.23 D125.2
Net-(D126-Pad2): length 3.3
  Bottom w1: 6.98,140.43 4.7,140.43 SW126.S1
Net-(D127-Pad2): length 5.2
  Bottom w1: SW127.2 285.07,88.88 D127.2
Net-(D128-Pad2): length 15.2
  Bottom w1: SW128.2 91.58,14.18 80.19,14.18 D128.2
Net-(D129-Pad2): length 12.9
  Bottom w1: D129.2 154.45,14.34 SW129.2
Net-(D703-Pad1): length 1.8
  Bottom w0.5: R711.2 267.05,25.88 D703.1
Net-(D703-Pad2): length 33.7
  Bottom w0.5: 241.25,29.12 247.05,29.12 248.2,27.97 251.6,27.97 254.2,25.38 259.9,25.38 262.35,27.82 263.66,27.82 263.55,27.71 D703.2 ; 241.25,29.12 SW200.2 ; 241.25,29.12 SW200.2
Net-(H1-Pad1): length 18.5
  Bottom w0.5: H1.1 303.89,19.88 304.7,19.07 307.02,19.07 L2.2
Net-(H309-Pad1): length 5.2
  Bottom w0.5: JP300.2 H309.1
Net-(J701-Pad3): length 42.4
  Top w0.5: v1(23.9,109.88) 23.9,110.58 24.9,111.58 v1(24.9,124.67) ; J702.2 25.28,142.76 24.4,141.88 20.7,141.88 v1(20.4,141.57)
  Bottom w0.5: v1(20.4,141.57) 20.3,141.47 20.3,138.38 20.85,137.82 LED702.2 21.36,128.22 v1(24.9,124.67) ; J701.3 v1(23.9,109.88)
Net-(J705-Pad1): length 2.3
  Bottom w0.5: D704.2 219.38,107.28 J705.1
Net-(JP300-Pad1): length 2.3
  Bottom w0.5: L301.1 372.98,14.68 JP300.1
Net-(L1-Pad1): length 15.8
  Bottom w0.5: SW126.S 10.68,132.38 7.3,135.75 L1.1 11,142.38 SW126.S
Net-(Q701-Pad3): length 2.9
  Bottom w0.5: Q701.3 265.54,31.59 R703.2
Net-(R200-Pad2): length 72.2
  Bottom w0.3: U701.12 245.49,102.18 245.7,101.97 245.7,100.38 246.52,99.56 249.78,99.56 251.32,101.09 272.4,101.09 273.3,100.19 290.02,100.19 290.35,100.53 304.45,100.53 306.2,102.28 R200.2
Net-(R201-Pad2): length 53.7
  Bottom w0.3: R201.2 291.4,102.28 289.8,100.67 273.5,100.67 272.6,101.58 251.08,101.58 249.54,100.03 246.72,100.03 246.2,100.55 246.2,102.19 245.7,102.68 U701.11
Net-(R202-Pad2): length 33
  Bottom w0.3: U701.10 245.88,103.18 246.7,102.37 246.7,100.78 246.96,100.52 249.34,100.52 250.9,102.08 275.1,102.08
Net-(R710-Pad2): length 7.9
  Bottom w0.5: U705.4 24.6,126.58 22.9,128.28 R710.2

## Copper pours and planes (outline as drawn; the poured copper is in the pictures)
+5V on Bottom: 227.25,111.08 227.25,110.08 230.75,106.33 230.75,105.08 222,105.08 222,112.58 225.75,112.58
GND on Top: 392.2,-0.03 0.4,-0.03 0.5,146.4 392,146.4
GND on Bottom: 393.5,0.07 0,0.07 0,147.07 393.5,147.07
Net-(H1-Pad1) on Top, Bottom: 307.9,23.68 306.3,23.68 306.3,22.88 301.5,22.88 301.5,23.07 299.8,23.07 299.8,32.28 307.9,32.28

## Text on the board
B.Silkscreen: RGB breakout | +5V | SIG | GND | 1 | 3 | Do not put more than / 0.5A of additional LEDs / total across both RGBLED / headers (8 or less / WS2812B LEDs) | Do not install more than 0.5A of additional LEDs | Jump JP300 if using a / plastic top case and a / metal plate to ground / the plate | GND / D+ / D- / +5V | SWCLK | SWDIO | NRST | NC | +3v3 | To USB Daughterboard | 1u+ | 2u+ | Grounding Screw / (some versions only) | 6.25u | 2.75u | https://github.com/bluepylons/Boston | Powered by the Acheron Library | March-28-2023 | Hotswap, ANSI | 1.25u | 2.25u | 6.25u / 2.25u | Use of incorrect cable may damage PCB | Use only Unified Daughterboard cables | Split | 2u | SWD | - + | BkSpc | 1u | JLCJLCJLCJLC | Right | Down | Tilde | Esc | Caps | Ctrl | Shift | Tab | Win | P1 | F1 | Q | A | 2 | Z | Alt | P2 | F2 | W | S | X | P3 | F3 | E | D | 4 | C | P4 | F4 | R | F | 5 | V | T | P5 | F5 | G | 6 | Space | B | Y | P6 | F6 | H | 7 | Boston - V0.8DHA | N | U | P7 | F7 | J | 8 | M | I | P8 | F8 | K | 9 | < | O | L | F9 | P9 | 0 | > | P | ; | Menu | P10 | F10 | - | ? | ] | P11 | ' | F11 | # | = | [ | P12 | F12 | Enter | Left | \ | PrtSc | P13 | Up | Scroll | P14 | P17 | P18 | P16 | Pause | P15 | Num | Del | Ins | / | 00 | Home | End | * | . | PgUp | PgDn | + | SN
F.Silkscreen: Short press for reset / Long press for bootloader | 6.25u | 2.75u | 1.25u | 2.25u | 6.25u / 2.25u | Reset SW | + | Num | Caps | Scroll
